# Altium PCB KASLI-DIOT-CPU.PcbDoc (part 3 of 5)
Units mm, origin at the board's own origin, x right, y up, seen from the top; angles counter-clockwise.
Board outline 123.3 x 102 mm, 4 copper layers (Top Layer, Layer 1, Layer 2, Bottom Layer), stack 1.571 mm thick; 359 components, 345 nets, 1634 pads, 949 vias.
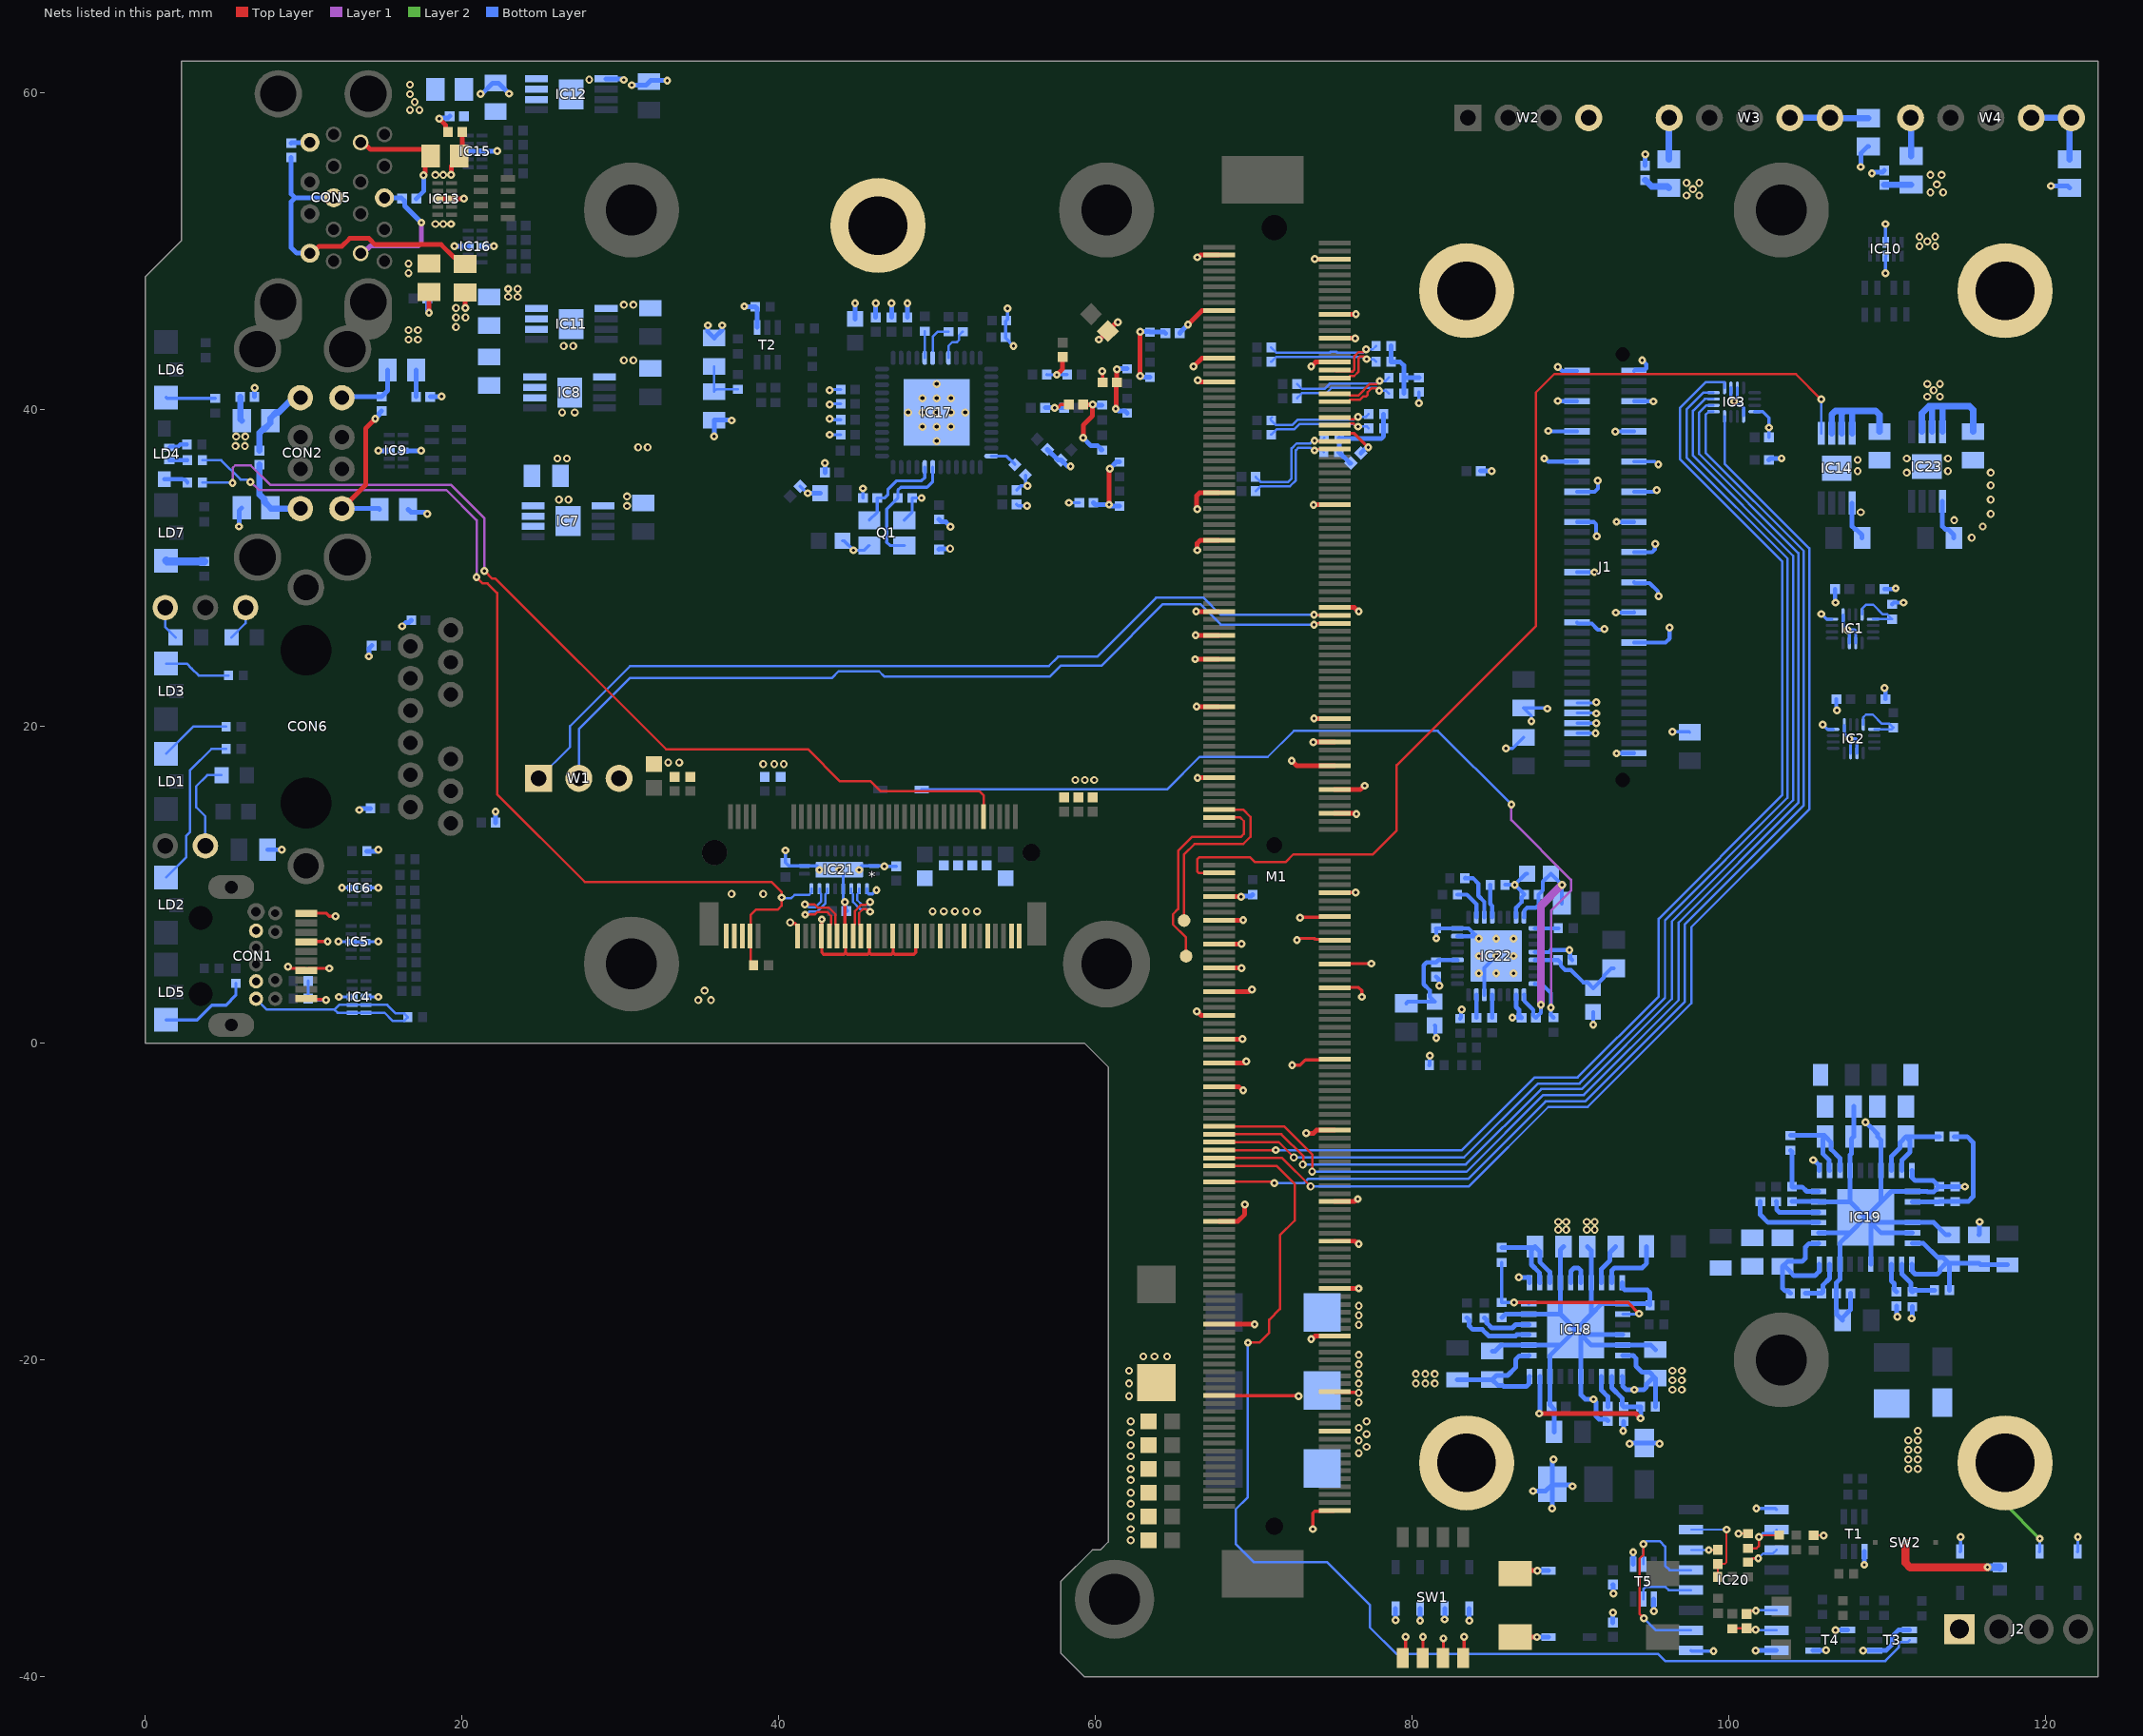
[diagram p5: the nets of this part, all layers, seen from the top]

## Via types
v1: diameter 0.5, hole 0.2, Top Layer to Bottom Layer, tented both sides, 514 vias
v2: diameter 0.5, hole 0.25, Top Layer to Bottom Layer, tented both sides, 262 vias
v3: diameter 0.5, hole 0.25, Top Layer to Bottom Layer, 130 vias
v4: diameter 0.5, hole 0.2, Top Layer to Bottom Layer, 43 vias

## Nets (pads, with @x,y where several pads share a name; then routed paths per layer and width w, separated by ;. In a path a pad name is that pad's centre, name@x,y a point inside that pad or via, vN(x,y) a via of type N, cw(c..) or ccw(c..) an arc to the next point about the centre after c; other vN are vias at no path point) (continued)
GBE1_MDI0_N: C57.2 M1.S18 R44.1 | length 9.9
  Top Layer w0.15: M1.S18@75.1,42 75.95,42 76.069,42.119 76.334,42.119 76.62,42.405 76.62,43.259 76.72,43.359 76.933,43.359 v1(77.108,43.184)
  Bottom Layer w0.15: C57.2@71.095,43.017 71.41,43.332 v1@77.007,43.332 ; v1(77.108,43.184) 77.552,43.184 R44.1@77.72,43.017
GBE1_MDI0_P: C56.2 M1.S17 R45.1 | length 9.8
  Top Layer w0.15: M1.S17@75.1,42.5 75.175,42.425 76.092,42.425 76.113,42.404 76.237,42.404 76.35,42.517 76.35,43.371 76.608,43.629 76.905,43.629 v1(77.08,43.804)
  Bottom Layer w0.15: C56.2@71.095,43.917 71.41,43.602 74.791,43.602 74.846,43.656 75.209,43.656 75.263,43.602 76.896,43.602 ; v1(77.08,43.804) 77.507,43.804 R45.1@77.72,44.017
GBE1_MDI1_N: C59.2 M1.S21 R42.1 | length 9.5
  Top Layer w0.15: M1.S21@75.1,40.5 75.95,40.5 76.065,40.615 76.693,40.615 76.923,40.845 77.093,40.845 77.181,40.932 77.181,41.102 77.431,41.353 77.743,41.353 v1(77.909,41.187)
  Bottom Layer w0.15: C59.2@72.72,40.717 73.035,41.032 74.565,41.032 74.895,41.361 77.734,41.361 v1(77.909,41.187) 78.35,41.187 R42.1@78.52,41.017
GBE1_MDI1_P: C58.2 M1.S20 R43.1 | length 9.5
  Top Layer w0.15: M1.S20@75.1,41 75.95,41 76.065,40.885 76.581,40.885 77.319,41.623 77.761,41.623 v1(77.943,41.806)
  Bottom Layer w0.15: C58.2@72.72,41.617 73.035,41.302 74.453,41.302 74.783,41.631 77.769,41.631 v1(77.943,41.806) 78.309,41.806 R43.1@78.52,42.017
GBE1_MDI2_N: C61.2 M1.S24 R51.2 | length 8.1
  Top Layer w0.15: M1.S24@75.1,39 75.95,39 76.065,39.115 76.293,39.115 76.482,38.926 v1(76.57,38.925)
  Bottom Layer w0.15: C61.2@71.095,38.417 71.43,38.752 72.537,38.752 72.886,39.101 76.307,39.101 v1@76.482,38.926 ; v1(76.57,38.925) 77.141,38.925 R51.2@77.25,38.817
GBE1_MDI2_P: C60.2 M1.S23 R50.2 | length 8.2
  Top Layer w0.15: M1.S23@75.1,39.5 75.95,39.5 76.065,39.385 76.314,39.385 76.475,39.546 v1(76.57,39.545)
  Bottom Layer w0.15: C60.2@71.045,39.417 C60.2@71.135,39.507 ; C60.2@71.095,39.317 71.39,39.022 72.425,39.022 72.774,39.371 76.307,39.371 v1@76.482,39.546 ; v1(76.57,39.545) 77.079,39.545 R50.2@77.25,39.717
GBE1_MDI3_N: C68.2 M1.S27 R53.2 | length 8
  Top Layer w0.15: v1(73.824,37.422) 73.902,37.5 M1.S27@75.1,37.5
  Bottom Layer w0.15: C68.2@70.11,34.847 70.425,35.162 72.282,35.162 72.647,35.527 72.647,37.432 72.815,37.6 73.561,37.6 73.739,37.422 74.314,37.422 R53.2@74.42,37.317
GBE1_MDI3_P: C62.2 M1.S26 R52.2 | length 8
  Top Layer w0.15: v1(73.829,38.047) 73.876,38 M1.S26@75.1,38
  Bottom Layer w0.15: C62.2@70.11,35.747 70.425,35.432 72.17,35.432 72.377,35.638 72.377,37.543 72.703,37.87 73.566,37.87 73.743,38.047 74.28,38.047 R52.2@74.45,38.217
GND: *.1 *.3 *.9 *.15 *.21 *.27 *.33 *.39 *.45 *.51 *.57 *.71 *.73 *.75 C1.2 C2.2 C3.2 C4.2 C5.1 C6.1 C7.1 C8.1 C9.1 C10.1 C11.1 C12.1 C13.1 C14.1 C15.1 C16.1 C17.1 C18.1 C27.1 C28.1 C29.1 C30.1 C31.1 C32.1 C33.1 C37.1 C38.1 C39.1 C40.1 C43.1 C44.1 C45.1 C46.1 C47.1 C48.1 C49.1 C50.1 C51.1 C52.1 C53.1 C54.1 C55.2 C63.1 C64.1 C65.1 C66.1 C67.1 C69.1 C70.1 C71.1 C72.1 C73.1 C74.1 C75.1 C76.1 C77.1 C78.1 C79.1 C80.1 C81.1 C82.1 C83.1 C84.1 C85.1 C86.1 C87.1 C88.1 C89.1 C90.1 C91.1 C92.1 C93.2 C94.2 C95.1 C96.1 C97.1 C98.1 C99.1 C100.1 C101.1 C102.1 C103.1 C104.1 C105.1 C106.2 C107.2 C108.1 C109.1 C110.1 C111.1 C112.1 C114.1 C116.1 C117.2 C118.2 C119.2 C120.2 C121.1 C122.1 C123.1 C124.1 C125.1 C126.1 C127.1 C128.1 C129.1 C130.1 C131.1 C132.1 C133.1 C134.1 C135.1 C136.1 C137.1 C138.1 C139.1 C140.1 C141.1 C142.1 C143.1 C144.1 C145.1 C146.1 C147.1 C148.1 C152.2 C153.2 C154.1 C155.1 CON1.1 CON1.7 CON1.8 CON1.13 CON1.14 CON1.19 D1.2 D2.2 D3.2 D4.2 D5.2 D6.2 D7.2 D8.2 D9.2 IC1.1 IC1.10 IC1.11 IC1.16 IC2.1 IC2.10 IC2.11 IC2.16 IC3.1 IC3.10 IC3.11 IC3.16 IC4.3 IC4.8 IC5.3 IC5.8 IC6.3 IC6.8 IC7.1 IC7.9 IC8.1 IC8.9 IC9.3 IC9.8 IC10.3 IC10.8 IC11.1 IC11.9 IC12.1 IC12.9 IC13.3 IC13.8 IC14.1 IC14.9 IC15.3 IC15.8 IC16.3 IC16.8 IC17.49 IC18.2 IC18.5 IC18.7 IC18.10 IC18.13 IC18.16 IC18.17 IC18.20 IC18.21 IC18.27 IC18.30 IC18.33 IC19.2 IC19.5 IC19.7 IC19.10 IC19.13 IC19.16 IC19.17 IC19.20 IC19.21 IC19.27 IC19.30 IC19.33 IC20.1 IC20.8 IC20.9 IC21.2 IC21.5 IC21.11 IC21.20 IC21.21 IC22.7 IC22.8 IC22.15 IC22.20 IC22.26 IC22.30 IC22.33 IC23.1 IC23.9 J1.1 J1.2 J1.7 J1.8 J1.13 J1.14 J1.19 J1.20 J1.25 J1.26 J1.31 J1.32 J1.38 J1.41 J1.44 J1.50 J1.51 J1.56 J1.67 J1.69 J1.71 J1.73 J1.78 J2.1 L5.2 L6.1 L11.1 L12.2 L15.1 L18.1 M1.P2 M1.P9 M1.P15 M1.P18 M1.P32 M1.P38 M1.P47 M1.P50 M1.P53 M1.P59 M1.P68 M1.P79 M1.P82 M1.P85 M1.P88 M1.P91 M1.P94 M1.P97 M1.P100 M1.P103 M1.P120 M1.P133 M1.P142 M1.S3 M1.S10 M1.S13 M1.S16 M1.S25 M1.S34 M1.S47 M1.S61 M1.S64 M1.S67 M1.S70 M1.S73 M1.S80 M1.S83 M1.S86 M1.S89 M1.S92 M1.S101 M1.S110 M1.S119 M1.S124 M1.S130 M1.S136 M1.S143 M1.S158 MP1.1 MP2.1 MP3.1 MP4.1 MP5.1 PB1.2 PB2.2 Q1.2 Q1.4 R1.2 R2.1 R4.1 R5.1 R18.1 R34.2 R62.1 R63.1 R66.1 R76.1 R77.1 R78.1 R80.1 R82.1 R85.1 R91.1 R98.1 R111.1 R113.2 R115.2 SW1.1 SW1.2 SW1.3 SW1.4 T1.1 T2.1 T3.1 T3.4 T4.1 T4.4 T5.1 T5.4 W1.3 W2.4 | length 430.3
  Top Layer w0.12: v1(100.593,-30.96) R98.1@101.2,-30.96 ; R78.1@105.345,-31.068 105.955,-31.068 v1(105.97,-31.083)
  Top Layer w0.2: v4(9.02,4.817) 9.112,4.725 10.045,4.725 CON1.7@10.17,4.6 10.287,4.717 v4(11.62,4.717) ; CON1.1@10.17,2.8 10.212,2.758 11.378,2.758 v4(11.42,2.717) ; CON1.13@10.17,6.4 10.187,6.417 v4(11.52,6.417) ; CON1.19@10.17,8.2 11.449,8.2 11.632,8.017 v4(12.02,8.017) ; v3(40.72,7.617) 40.777,7.559 41.014,7.559 41.19,7.383 *.57@41.19,6.758 ; v4(42.72,7.817) 42.72,6.788 *.51@42.69,6.758 42.72,6.728 42.72,5.717 42.82,5.617 44.12,5.617 44.22,5.717 ; v1(44.17,8.917) 44.18,8.907 44.18,6.768 *.45@44.19,6.758 44.22,6.728 44.22,5.717 ; *.39@45.69,6.758 45.72,6.728 45.72,5.717 ; *.33@47.19,6.758 47.22,6.728 47.22,5.717 ; *.27@48.69,6.758 48.64,6.708 48.64,5.734 48.523,5.617 47.32,5.617 47.22,5.717 ; v1(57.42,40.117) 57.62,40.117 57.82,40.317 C155.1@58.32,40.317 ; v1(60.42,42.417) 60.42,42.317 60.448,42.289 C153.2@60.448,41.714 ; M1.P142@67.8,-22.25 67.817,-22.267 72.803,-22.267 v4(72.82,-22.283) ; v4(72.42,-1.383) 72.92,-1.383 73.253,-1.05 75.05,-1.05 M1.S101@75.1,-1 ; v4(72.72,6.517) 72.82,6.617 73.82,6.617 73.887,6.55 75.05,6.55 M1.S86@75.1,6.5 ; v4(72.92,7.917) 72.953,7.95 75.05,7.95 M1.S83@75.1,8 ; v4(73.72,-30.683) 73.72,-29.667 73.837,-29.55 75.05,-29.55 M1.S158@75.1,-29.5 ; M1.S143@75.1,-22 75.142,-22.042 76.578,-22.042 v3(76.62,-22.083) ; M1.S92@75.1,3.5 75.117,3.517 76.62,3.517 76.82,3.317 v4(76.82,2.917) ; M1.S89@75.1,5 75.117,5.017 v4(77.42,5.017) ; M1.S80@75.1,9.5 75.117,9.517 v4(76.42,9.517) ; M1.S25@75.1,38.5 76.337,38.5 v1(77.22,37.617) ; SW1.1@79.395,-38.81 79.57,-38.635 v4(79.57,-37.483) ; SW1.2@80.665,-38.81 80.67,-38.805 v4(80.67,-37.483) ; SW1.3@81.935,-38.81 81.97,-38.775 v4(81.97,-37.583) ; SW1.4@83.205,-38.81 83.27,-38.745 v4(83.27,-37.483) ; 44.22,5.717 44.32,5.617 45.62,5.617 45.72,5.717 ; 45.72,5.717 45.82,5.617 47.12,5.617 47.22,5.717
  Top Layer w0.3: v1(17.92,46.117) L12.2@17.92,47.417 ; IC13.3@18.465,53.3 IC13.8@19.335,53.3 20.103,53.3 v1(20.12,53.317) ; v1(18.563,58.366) 18.96,57.968 18.96,57.677 C38.1@19.12,57.517 ; L11.1@20.2,47.4 20.2,46.437 v1(20.22,46.417) ; v1(57.554,42.197) 57.92,42.564 C84.1@57.92,43.317 ; v1(60.22,44.417) 60.241,44.417 C83.1@60.781,44.956 61.32,45.495 61.32,45.517 v1(61.42,45.517) ; v1(65.839,45.363) 66.726,46.25 M1.P9@67.8,46.25 ; v1(66.185,42.714) 66.722,43.25 M1.P15@67.8,43.25 ; v1(66.295,24.242) 66.303,24.25 M1.P53@67.8,24.25 ; v1(66.32,25.758) 66.328,25.75 M1.P50@67.8,25.75 ; v1(66.353,27.25) M1.P47@67.8,27.25 ; v1(66.378,21.25) M1.P59@67.8,21.25 ; v1(66.395,2.004) 66.417,2.004 66.671,1.75 M1.P94@67.8,1.75 ; v1(66.42,31.117) 66.42,31.558 66.612,31.75 M1.P38@67.8,31.75 ; v1(66.42,33.717) 66.395,33.742 66.395,34.574 66.571,34.75 M1.P32@67.8,34.75 ; v1(66.42,49.617) 66.474,49.617 66.607,49.75 M1.P2@67.8,49.75 ; v1(66.437,16.75) M1.P68@67.8,16.75 ; v1(66.461,41.851) 66.562,41.75 M1.P18@67.8,41.75 ; M1.P133@67.8,-17.75 70.037,-17.75 v1(70.045,-17.758) ; M1.P120@67.8,-11.25 68.98,-11.25 69.42,-10.81 v1(69.42,-10.183) ; M1.P103@67.8,-2.75 69.044,-2.75 69.278,-2.983 v1(69.32,-2.983) ; M1.P100@67.8,-1.25 69.428,-1.25 v1(69.52,-1.158) ; M1.P97@67.8,0.25 69.253,0.25 v1(69.27,0.267) ; M1.P91@67.8,3.25 69.696,3.25 69.834,3.388 v1(69.888,3.388) ; M1.P88@67.8,4.75 69.212,4.75 v1(69.218,4.744) ; M1.P85@67.8,6.25 69.201,6.25 v1(69.218,6.267) ; M1.P82@67.8,7.75 69.303,7.75 v1(69.32,7.767) ; M1.P79@67.8,9.25 69.187,9.25 v1(69.195,9.242) ; v1(72.392,17.829) 72.721,17.5 M1.S67@75.1,17.5 ; v1(73.299,-5.687) 73.766,-5.687 73.953,-5.5 M1.S110@75.1,-5.5 ; v1(73.62,-18.683) 73.674,-18.683 73.857,-18.5 M1.S136@75.1,-18.5 ; v1(73.62,42.717) 73.62,42.719 73.901,43 M1.S16@75.1,43 ; v1(73.755,18.997) 73.759,19 M1.S64@75.1,19 ; v1(73.77,33.992) 73.778,34 M1.S34@75.1,34 ; v1(73.803,20.508) 73.803,20.5 M1.S61@75.1,20.5 ; v1(73.845,49.517) 73.862,49.5 M1.S3@75.1,49.5 ; M1.S130@75.1,-15.5 76.603,-15.5 v1(76.62,-15.483) ; M1.S124@75.1,-12.5 76.383,-12.5 76.566,-12.683 v1(76.62,-12.683) ; M1.S119@75.1,-10 76.349,-10 76.511,-9.838 v1(76.565,-9.838) ; M1.S73@75.1,14.5 76.437,14.5 v1(76.47,14.467) ; M1.S70@75.1,16 76.715,16 76.97,16.256 v1(76.99,16.256) ; M1.S47@75.1,27.5 76.344,27.5 76.578,27.267 v1(76.62,27.267) ; M1.S13@75.1,44.5 76.387,44.5 v1(76.395,44.492) ; M1.S10@75.1,46 76.428,46 v1(76.445,46.017) ; PB1.2@86.5,-37.5 v1(87.862,-37.5) ; PB2.2@86.5,-33.5 86.692,-33.308 v1(87.895,-33.308)
  Layer 2 w0.2: MP3.1@117.43,-26.5 117.43,-29.093 v4(119.62,-31.283)
  Bottom Layer w0.2: R5.1@10.29,3.917 R4.1@10.29,2.817 10.39,2.717 v4(11.42,2.717) ; v4(12.203,6.421) 12.218,6.406 12.985,6.406 IC5.3@13,6.392 IC5.8@13.87,6.392 13.883,6.404 14.708,6.404 v4(14.72,6.417) ; v4(12.22,2.917) IC4.3@13.075,2.917 ; v4(12.42,9.817) 13.075,9.817 IC6.3@13.1,9.792 ; IC4.8@13.945,2.917 v4(14.72,2.917) ; IC6.8@13.97,9.792 13.995,9.817 v4(14.72,9.817) ; v1(40.42,12.167) C132.1@40.42,11.392 40.62,11.192 IC21.11@41.62,11.192 42.42,11.192 42.57,11.042 v1(42.57,10.942) ; C88.1@41.357,35.153 41.793,34.717 v1(41.84,34.717) ; v1(43.22,38.417) C72.1@43.92,38.417 ; v1(43.22,39.417) 43.27,39.367 C63.1@43.92,39.367 ; v1(43.22,40.317) 43.27,40.367 C66.1@43.92,40.367 ; v1(43.22,41.217) 43.27,41.267 C76.1@43.92,41.267 ; v1(43.82,10.942) 44.07,10.692 IC21.5@44.07,9.742 44.07,9.098 44.17,8.998 v1(44.17,8.917) ; C87.1@44.02,31.717 44.12,31.717 v1(44.72,31.117) 45.42,31.117 Q1.2@45.72,31.417 ; v1(45.07,10.942) 45.07,11.042 45.22,11.192 IC21.20@46.02,11.192 46.645,11.192 v1(46.67,11.167) C133.1@47.42,11.167 ; C54.1@45.32,34.417 v1(45.32,35.017) ; IC21.2@45.57,9.742 45.57,9.512 45.59,9.492 45.595,9.492 45.67,9.417 45.92,9.417 v1(46.17,9.667) ; Q1.4@47.92,33.017 48.42,33.517 C53.1@48.42,34.417 v1(49.02,34.417) ; v4(54.439,46.386) 54.439,45.685 C89.1@54.37,45.617 54.32,45.567 C82.1@54.32,44.567 54.32,44.517 v1(54.82,44.017) ; C81.1@55.03,34.917 55.291,35.178 v1(55.698,35.178) 55.579,35.297 R34.2@55.579,35.858 ; C90.1@55.06,33.977 C90.1@55.02,34.017 55.12,33.917 v4(55.67,33.917) ; C86.1@56.92,42.217 56.939,42.197 v1(57.554,42.197) 57.573,42.217 C80.1@58.21,42.217 ; v1(58.32,34.117) C154.1@58.97,34.117 ; v4(80.42,40.417) C55.2@80.42,41.117 ; v1(85.92,18.617) 86.345,18.617 C12.1@87.02,19.292 ; v1(87.52,20.317) 87.52,20.667 C11.1@87.02,21.167 88.47,21.167 v1(88.52,21.117) ; J1.73@90.4,19.572 v1(91.576,19.572) ; J1.71@90.4,20.207 v1(91.611,20.207) ; J1.69@90.4,20.842 91.494,20.842 91.52,20.817 v1(91.62,20.817) ; J1.67@90.4,21.477 91.581,21.477 v1(91.62,21.517) ; J1.20@94,36.717 95.319,36.717 95.501,36.536 v1(95.537,36.536) ; v4(96.42,19.667) 97.47,19.667 C13.1@97.52,19.617 ; IC20.9@97.6,-38.345 97.638,-38.383 v4(99.02,-38.383) ; IC3.10@100.12,41.367 100.12,40.717 v1(100.32,40.517) ; IC3.11@100.52,41.367 100.52,40.717 v1(100.32,40.517) ; IC3.1@100.92,39.617 100.92,40.111 100.78,40.251 100.585,40.251 v1(100.32,40.517) ; IC3.16@101.62,39.867 102.145,39.867 102.52,39.492 v1(102.52,38.867) C18.1@102.52,38.242 ; v4(101.72,-29.383) 102.928,-29.383 IC20.1@103,-29.455 ; v1(105.82,27.092) 106.145,26.767 IC1.16@106.5,26.767 ; v1(105.92,20.117) 106.22,19.817 IC2.16@106.575,19.817 ; IC1.1@107.2,27.017 107.2,26.362 v1(107.47,26.092) ; IC2.1@107.275,20.067 107.275,19.537 v1(107.595,19.217) ; IC1.11@107.6,25.267 107.6,25.962 v1(107.47,26.092) ; IC2.11@107.675,18.317 107.675,19.137 v1(107.595,19.217) ; IC1.10@108,25.267 108,26.037 107.945,26.092 v1(107.47,26.092) ; IC2.10@108.075,18.317 108.075,19.162 108.02,19.217 v1(107.595,19.217) ; v4(109.87,48.617) 109.87,49.67 IC10.3@109.9,49.7 ; v4(109.87,51.717) 109.87,50.6 IC10.8@109.9,50.57 ; D8.2@114.6,-32.1 114.62,-32.08 v4(114.62,-31.183) ; D7.2@119.6,-32.1 119.62,-32.08 v4(119.62,-31.283) ; D5.2@122,-32.1 122.02,-32.08 v4(122.02,-31.183)
  Bottom Layer w0.254: C27.1@7.72,12.217 v1(8.62,12.217) ; R113.2@81.08,-1.383 81.1,-1.363 81.1,-0.803 v1(81.12,-0.783) ; C145.1@81.42,1.117 81.452,1.084 81.452,0.384 v1(81.52,0.317) ; C141.1@81.5,4.2 81.683,4.017 81.683,3.905 81.72,3.868 v1(81.72,3.617) ; v1(81.52,6.617) 81.52,7.23 C140.1@81.5,7.25 IC22.8@82.85,7.25 83.55,7.25 83.802,6.998 IC22.33@84.05,6.75 ; IC22.7@82.85,6.75 IC22.33@84.05,6.75 ; R115.2@83.02,1.557 83.082,1.619 83.082,2.079 v1(83.12,2.117) ; v1(84.2,6.6) IC22.33@84.05,6.75 ; IC22.30@84.55,3.05 84.55,4.75 v1(85.3,5.5) ; R111.1@85.865,10 v1(86.475,10) ; IC22.15@86.55,7.95 86.55,8.55 86.9,8.9 86.9,9.2 C144.1@87.075,9.375 87.075,9.4 v1(86.475,10) ; C147.1@87.25,10.7 87.175,10.7 v1(86.475,10) ; IC22.20@87.75,5.75 88.625,5.75 88.75,5.875 v1(89.925,5.875) 89.972,5.828 89.972,5.378 C142.1@90.1,5.25 ; v1(88.328,36.915) 88.394,36.915 88.592,36.717 J1.19@90.4,36.717 ; v1(88.595,38.653) 88.564,38.622 J1.13@90.4,38.622 ; v1(89.195,40.542) 89.209,40.527 J1.7@90.4,40.527 ; v1(89.195,42.692) 89.454,42.432 J1.1@90.4,42.432 ; J1.51@90.4,26.557 90.473,26.484 91.333,26.484 91.71,26.107 92.095,26.107 v1(92.136,26.149) ; J1.31@90.4,32.907 91.459,32.907 91.608,32.759 91.608,32.039 v1(91.643,32.004) ; J1.25@90.4,34.812 91.516,34.812 91.72,35.017 v1(91.72,35.517) ; J1.41@90.4,29.732 v1(91.507,29.733) ; v1(91.42,1.167) C146.1@91.42,1.967 ; v1(92.82,38.617) 92.826,38.622 J1.14@94,38.622 ; v1(92.859,27.181) 92.865,27.187 93.994,27.187 J1.50@94,27.192 ; v1(92.895,18.292) 92.906,18.302 J1.78@94,18.302 ; v1(92.895,32.917) 92.904,32.907 J1.32@94,32.907 ; J1.56@94,25.287 95.991,25.287 96.245,25.542 v1(96.245,26.242) ; J1.44@94,29.097 94.046,29.052 94.985,29.052 95.512,28.525 95.512,28.256 v1(95.559,28.209) ; J1.38@94,31.002 95.139,31.002 95.316,31.179 95.316,31.497 v1(95.349,31.53) ; J1.26@94,34.812 95.316,34.812 95.418,34.915 v1(95.425,34.907) ; J1.8@94,40.527 95.209,40.527 v1(95.22,40.517) ; J1.2@94,42.432 94.073,42.505 94.673,42.505 94.772,42.604 94.772,42.865 v1(94.52,43.117) ; C17.1@106.7,28.667 106.7,27.837 v1(106.72,27.817) ; C16.1@106.775,21.717 106.775,21.062 v1(106.82,21.017) ; C15.1@109.8,28.667 110.47,28.667 v1(110.52,28.717) ; v1(109.82,22.417) 109.875,22.362 C14.1@109.875,21.717 ; R2.1@110.3,27.707 110.41,27.817 v1(111.02,27.817)
  Bottom Layer w0.3: v4(5.92,32.617) 5.92,33.62 L6.1@6.1,33.8 ; C32.1@6.9,40.8 6.9,41.372 v4(6.92,41.372) ; v1(13.52,14.717) 13.62,14.817 C46.1@14.22,14.817 ; R18.1@13.99,12.117 14.62,12.117 v1(14.72,12.217) ; v1(14.12,24.417) 14.12,24.764 14.14,24.784 14.14,24.94 C49.1@14.3,25.1 ; v1(14.72,37.417) 14.737,37.4 IC9.8@15.4,37.4 ; v1(16.22,26.317) 16.443,26.54 16.64,26.54 C48.1@16.8,26.7 ; IC9.3@16.27,37.4 17.403,37.4 v1(17.42,37.417) ; L5.2@16.6,33.7 16.783,33.517 17.72,33.517 v1(17.82,33.417) ; C45.1@17.82,47.017 17.82,46.271 17.92,46.171 v1(17.92,46.117) ; C29.1@18,40.8 18.016,40.816 18.69,40.816 v1(18.705,40.831) ; v1(18.563,58.366) 18.601,58.404 19.108,58.404 C43.1@19.226,58.522 ; v1(19.52,50.317) 19.537,50.3 IC16.8@20.4,50.3 ; IC15.3@20.4,56.3 IC15.8@21.27,56.3 22.203,56.3 v1(22.22,56.317) ; v1(21.17,59.921) 21.208,59.959 21.288,59.959 21.945,60.617 22.295,60.617 v1(22.97,59.944) v1(22.97,59.944) ; IC16.3@21.27,50.3 22.003,50.3 v1(22.02,50.317) ; C47.1@22.12,13.917 v1(22.12,14.617) ; IC12.1@29.1,60.875 30.162,60.875 v1(30.22,60.817) ; v1(30.722,60.488) 31.618,60.488 31.906,60.776 v1(32.959,60.776) ; v1(35.52,45.317) 35.52,44.917 C51.1@35.92,44.517 36.42,45.017 v1(36.42,45.317) ; v1(35.92,38.317) C52.1@35.92,39.342 36.995,39.342 v1(37.02,39.317) ; v1(37.82,46.517) 37.82,46.417 37.89,46.487 R80.1@38.517,46.487 38.637,46.366 T2.1@38.637,45.188 ; v1(41.84,34.717) C69.1@42.62,34.717 ; C70.1@42.92,36.017 v1(42.92,36.617) ; v1(44.17,8.917) 44.179,8.907 44.179,8.432 C131.1@44.27,8.342 ; C73.1@44.82,45.717 v1(44.82,46.717) ; C77.1@46.12,45.817 v1(46.12,46.717) ; C67.1@47.12,45.817 v1(47.12,46.717) ; C74.1@48.12,45.817 v1(48.12,46.717) ; C71.1@50.12,31.167 50.145,31.192 50.795,31.192 v2(50.82,31.217) ; C64.1@50.12,33.067 50.28,32.907 50.544,32.907 v1(50.85,32.601) ; C65.1@56.82,40.117 v1(57.42,40.117) C75.1@58.02,40.117 ; C79.1@56.956,37.48 57.62,36.817 C85.1@57.82,36.817 58.22,36.417 v1(58.42,36.417) ; C152.2@65.32,44.817 65.32,44.844 v1(65.839,45.363) ; v1(69.195,9.242) 69.249,9.242 69.29,9.283 69.826,9.283 R1.2@69.92,9.377 ; C78.1@76.756,37.253 77.12,37.617 v1(77.22,37.617) ; v1(78.945,-36.433) D1.2@78.945,-35.683 ; v1(80.495,-36.458) D2.2@80.495,-35.683 ; v1(82.045,-36.383) D3.2@82.045,-35.683 ; v1(83.595,-36.458) D4.2@83.595,-35.683 ; C50.1@84.32,36.117 v1(85.02,36.117) ; C98.1@85.05,-19.45 85.225,-19.45 85.605,-19.071 IC18.2@87.363,-19.071 IC18.33@89.342,-19.071 ; R62.1@85.65,-17.32 85.67,-17.32 85.886,-17.104 IC18.5@87.363,-17.104 89.342,-17.104 IC18.33@89.35,-17.112 ; v1(86.32,1.617) C143.1@86.883,1.617 ; IC22.26@86.55,3.05 86.55,2.287 86.74,2.097 86.74,1.76 C143.1@86.883,1.617 ; v1(86.72,-14.783) 87.199,-14.783 87.203,-14.787 87.375,-14.787 87.4,-14.813 IC18.7@87.4,-15.125 ; C143.1@86.9,1.6 C143.1@86.883,1.617 ; v1(87.62,-28.283) 88.417,-28.283 C106.2@88.85,-27.85 ; v1(87.862,-37.5) D6.2@88.6,-37.5 ; v1(87.895,-33.308) 87.899,-33.304 88.596,-33.304 D9.2@88.6,-33.3 ; v1(88.82,-29.383) 88.85,-29.353 C106.2@88.85,-27.85 ; v1(88.92,-26.283) 88.85,-26.353 C106.2@88.85,-27.85 ; C108.1@88.95,-24.55 88.95,-23.1 88.7,-22.85 IC18.30@88.7,-21.05 88.7,-19.713 IC18.33@89.342,-19.071 ; C91.1@89.55,-12.85 89.35,-13.05 IC18.10@89.35,-15.125 IC18.33@89.35,-17.112 ; v1(90.12,-27.983) 90.024,-27.888 88.888,-27.888 C106.2@88.85,-27.85 ; C92.1@91.05,-12.85 91.3,-13.1 IC18.33@91.3,-17.112 ; C99.1@92.35,-23.85 92.248,-23.748 91.796,-23.748 91.62,-23.572 91.62,-22.659 v1(91.444,-22.483) 90.92,-22.483 90.65,-22.213 IC18.27@90.65,-21.05 IC18.33@90.65,-18.413 ; C114.1@92.67,-36.583 v1(92.67,-35.958) ; C116.1@92.67,-34.183 92.695,-34.208 v1(92.695,-34.758) ; IC18.16@93.25,-15.125 93.25,-15.437 93.275,-15.462 93.299,-15.462 93.42,-15.583 94.834,-15.583 95.01,-15.759 R63.1@95.01,-16.55 94.915,-16.455 IC18.17@93.288,-16.455 91.958,-16.455 IC18.33@91.3,-17.112 ; IC18.20@93.288,-18.413 IC18.33@90.65,-18.413 ; v1(93.32,-24.483) 93.349,-24.454 R66.1@93.35,-23.89 ; v1(93.72,-25.283) 93.753,-25.25 C107.2@94.65,-25.25 95.587,-25.25 v1(95.62,-25.283) ; v1(93.945,-32.133) 93.95,-32.138 T5.1@93.95,-32.9 ; C135.1@94.7,55.4 94.7,56.097 v1(94.72,56.117) ; v1(95.245,-35.858) 95.25,-35.853 T5.4@95.25,-35.1 ; C97.1@95.35,-19.35 95.071,-19.071 IC18.21@93.288,-19.071 91.308,-19.071 IC18.33@90.65,-18.413 ; v1(101.67,-38.358) 101.683,-38.345 IC20.8@103,-38.345 ; C148.1@102.52,36.817 102.62,36.917 v1(103.32,36.917) ; R82.1@103.975,-10 104.703,-10 104.72,-9.983 105.266,-9.983 105.275,-9.992 105.638,-9.992 IC19.5@105.663,-10.017 107.642,-10.017 IC19.33@107.65,-10.025 ; T4.4@105.3,-38.35 106.103,-38.35 v1(106.12,-38.333) ; v1(105.32,-7.383) 105.358,-7.383 105.7,-7.725 IC19.7@105.7,-8.038 ; IC19.2@105.663,-11.983 IC19.33@107.642,-11.983 ; v1(106.72,-37.058) 106.728,-37.05 T4.1@107.5,-37.05 ; C96.1@107.675,-15.8 107.675,-16.825 107.175,-17.325 C95.1@107.175,-17.5 106.8,-17.125 106.8,-16.799 106.775,-16.774 R85.1@106.775,-15.8 106.775,-15.128 107,-14.903 IC19.30@107,-13.963 107,-12.625 IC19.33@107.642,-11.983 ; IC14.1@107.775,34.1 107.775,32.626 107.951,32.45 108.025,32.45 108.4,32.075 C137.1@108.4,31.9 ; C103.1@107.875,-4 C102.1@107.875,-5.9 107.72,-6.055 107.72,-6.983 107.65,-7.053 IC19.10@107.65,-8.038 IC19.33@107.65,-10.025 ; v1(108.32,55.317) 108.32,56.175 108.745,56.6 L15.1@108.8,56.6 ; v1(108.47,-38.358) 108.478,-38.35 T3.4@109.2,-38.35 109.911,-38.35 110.304,-37.957 110.304,-37.446 110.694,-37.056 111.394,-37.056 T3.1@111.4,-37.05 ; v1(108.545,-32.933) 108.548,-32.931 T1.1@108.548,-32.098 ; T1.1@108.545,-32.095 T1.1@108.548,-32.098 ; T1.1@108.55,-32.1 T1.1@108.548,-32.098 ; v1(108.62,-4.983) 108.987,-5.35 109,-5.35 109.375,-5.725 C100.1@109.375,-5.9 109.6,-6.125 IC19.13@109.6,-8.038 IC19.33@109.6,-10.025 ; IC19.27@108.95,-13.963 IC19.33@108.95,-11.325 ; v1(109.02,54.917) 109.074,54.917 109.157,54.999 109.699,54.999 C138.1@109.8,55.1 ; C112.1@110.575,-16.6 110.575,-17.238 v1(110.62,-17.283) ; v1(111.52,-17.383) 111.575,-17.328 R91.1@111.575,-16.64 ; IC19.16@111.55,-8.038 111.575,-8.063 111.575,-8.508 111.751,-8.683 112.898,-8.683 113.115,-8.9 R77.1@113.115,-8.92 ; IC19.21@111.588,-11.983 109.608,-11.983 IC19.33@108.95,-11.325 ; R77.1@113.115,-9.208 112.939,-9.383 112.52,-9.383 112.504,-9.367 IC19.17@111.588,-9.367 110.258,-9.367 IC19.33@109.6,-10.025 ; R77.1@113.275,-9.06 R76.1@114.275,-9.06 114.897,-9.06 v1(114.9,-9.063) ; IC23.1@113.475,34.2 113.475,32.626 113.651,32.45 113.825,32.45 114.2,32.075 C134.1@114.2,31.9 ; C110.1@113.875,-12.1 113.7,-12.1 112.925,-11.325 IC19.20@111.588,-11.325 IC19.33@108.95,-11.325 ; C111.1@115.775,-12.1 115.803,-12.072 115.803,-11.301 v1(115.82,-11.283) ; v1(120.32,54.117) 121.383,54.117 L18.1@121.5,54 ; IC18.33@89.342,-19.071 IC18.33@90.325,-18.088 ; IC18.33@89.35,-17.112 IC18.33@90.325,-18.088 ; IC18.33@90.325,-18.088 IC18.33@91.3,-17.112 ; IC18.33@90.325,-18.088 IC18.33@90.65,-18.413 ; IC19.33@107.642,-11.983 IC19.33@108.625,-11 ; IC19.33@107.65,-10.025 IC19.33@108.625,-11 ; IC19.33@108.625,-11 IC19.33@109.6,-10.025 ; IC19.33@108.625,-11 IC19.33@108.95,-11.325